# Altium PCB 滑板车模块 - 拼板.PcbDoc (part 7 of 8) (continued)
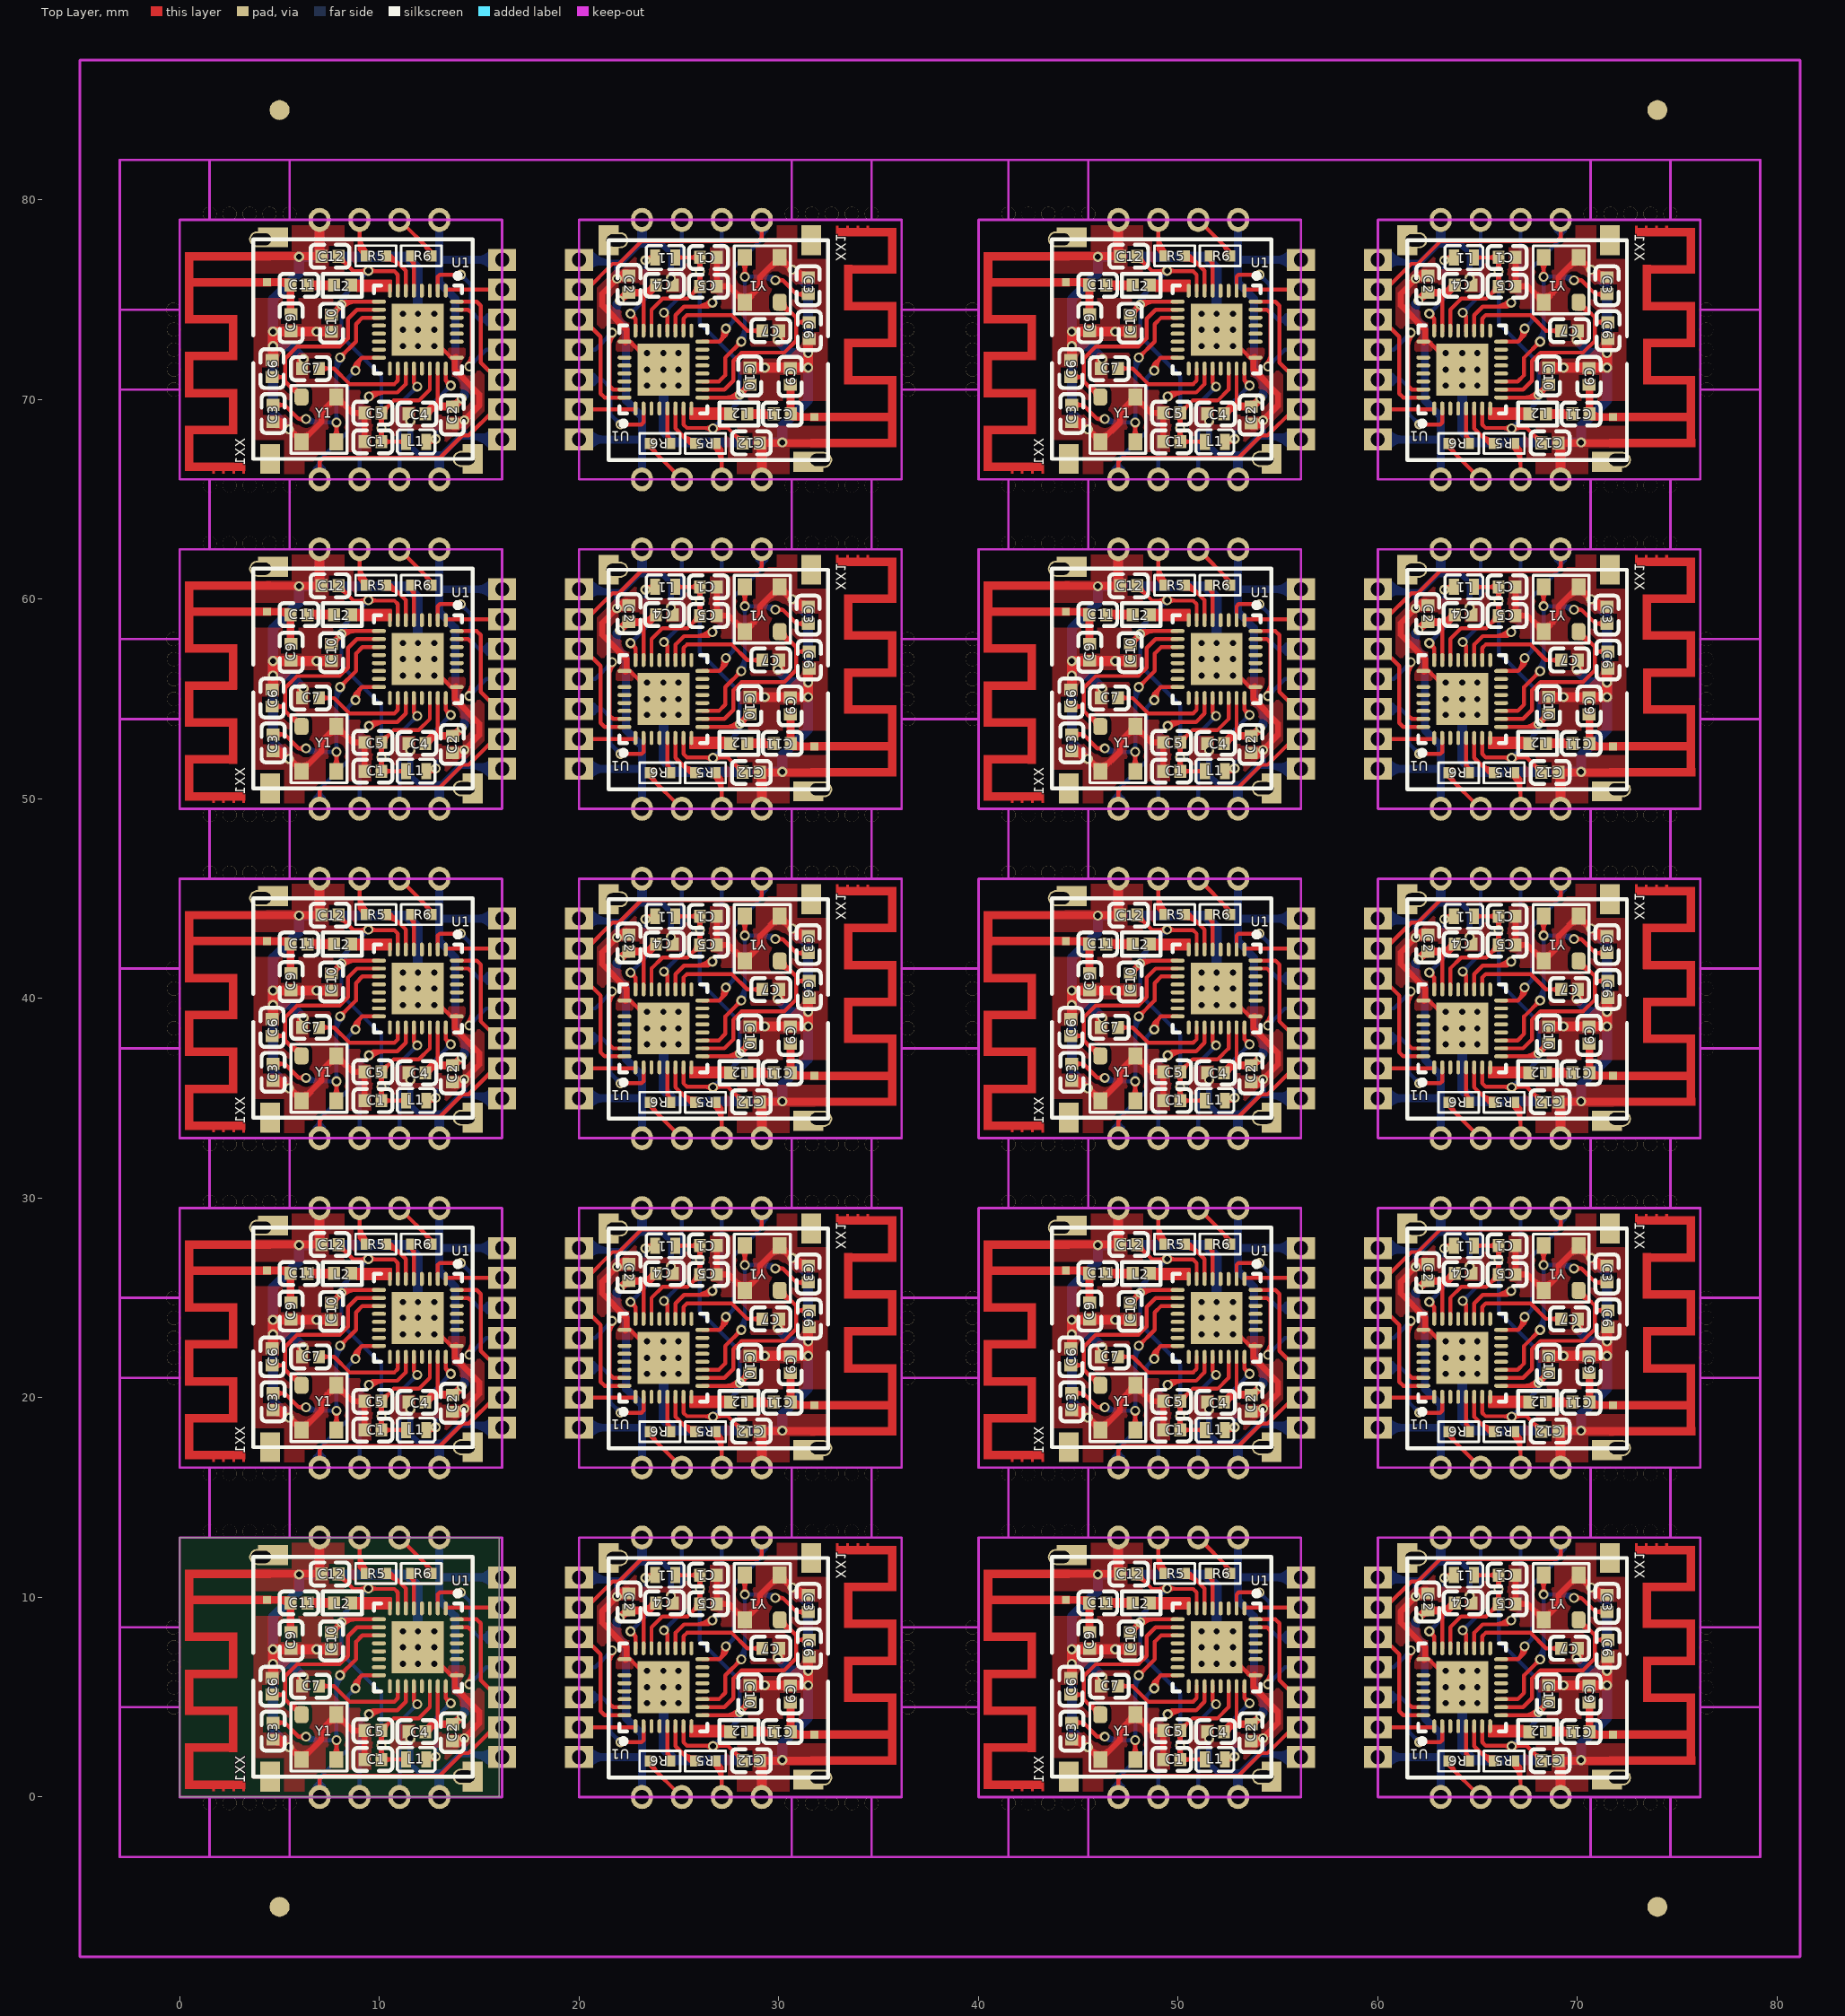
[diagram p0: Top Layer view]
## Nets (pads, with @x,y where several pads share a name; then routed paths per layer and width w, separated by ;. In a path a pad name is that pad's centre, name@x,y a point inside that pad or via, vN(x,y) a via of type N, cw(c..) or ccw(c..) an arc to the next point about the centre after c; other vN are vias at no path point) (continued)
; C10.1@47.702,8.446 ccw(c47.436,8.907) v1@47.954,8.784 ; C10.1@47.702,24.946 ccw(c47.436,25.407) v1@47.954,25.284 ; C10.1@47.702,41.446 ccw(c47.436,41.907) v1@47.954,41.784 ; C10.1@47.702,57.946 ccw(c47.436,58.407) v1@47.954,58.284 ; C10.1@47.702,74.446 ccw(c47.436,74.907) v1@47.954,74.784 ; C10.1@47.825,8.25 cw(c48.368,8.25) v1@47.984,8.634 ; C10.1@47.825,24.75 cw(c48.368,24.75) v1@47.984,25.134 ; C10.1@47.825,41.25 cw(c48.368,41.25) v1@47.984,41.634 ; C10.1@47.825,57.75 cw(c48.368,57.75) v1@47.984,58.134 ; C10.1@47.825,74.25 cw(c48.368,74.25) v1@47.984,74.634 ; C10.1@47.831,8.369 cw(c48.269,8.117) v1@48.139,8.605 ; C10.1@47.831,24.869 cw(c48.269,24.617) v1@48.139,25.105 ; C10.1@47.831,41.369 cw(c48.269,41.117) v1@48.139,41.605 ; C10.1@47.831,57.869 cw(c48.269,57.617) v1@48.139,58.105 ; C10.1@47.831,74.369 cw(c48.269,74.117) v1@48.139,74.605 ; 47.933,8.546 ccw(c47.745,8.655) v1@47.955,8.711 ; 47.933,25.046 ccw(c47.745,25.155) v1@47.955,25.211 ; 47.933,41.546 ccw(c47.745,41.655) v1@47.955,41.711 ; 47.933,58.046 ccw(c47.745,58.155) v1@47.955,58.211 ; 47.933,74.546 ccw(c47.745,74.655) v1@47.955,74.711 ; v1@47.95,8.75 cw(c47.588,8.75) 47.844,8.494 cw(c48.1,8.238) v1@48.1,8.6 ; C12.1@47.95,10.95 cw(c47.95,10.407) 48.334,10.791 ; C12.1@47.95,11.175 48.7,10.425 50.75,10.425 50.925,10.25 U1.7@50.925,9.45 ; v1@47.95,25.25 cw(c47.588,25.25) 47.844,24.994 cw(c48.1,24.738) v1@48.1,25.1 ; C12.1@47.95,27.45 cw(c47.95,26.907) 48.334,27.291 ; C12.1@47.95,27.675 48.7,26.925 50.75,26.925 50.925,26.75 U1.7@50.925,25.95 ; v1@47.95,41.75 cw(c47.588,41.75) 47.844,41.494 cw(c48.1,41.238) v1@48.1,41.6 ; C12.1@47.95,43.95 cw(c47.95,43.407) 48.334,43.791 ; C12.1@47.95,44.175 48.7,43.425 50.75,43.425 50.925,43.25 U1.7@50.925,42.45 ; v1@47.95,58.25 cw(c47.588,58.25) 47.844,57.994 cw(c48.1,57.738) v1@48.1,58.1 ; C12.1@47.95,60.45 cw(c47.95,59.907) 48.334,60.291 ; C12.1@47.95,60.675 48.7,59.925 50.75,59.925 50.925,59.75 U1.7@50.925,58.95 ; v1@47.95,74.75 cw(c47.588,74.75) 47.844,74.494 cw(c48.1,74.238) v1@48.1,74.6 ; C12.1@47.95,76.95 cw(c47.95,76.407) 48.334,76.791 ; C12.1@47.95,77.175 48.7,76.425 50.75,76.425 50.925,76.25 U1.7@50.925,75.45 ; v1@48.065,8.785 cw(c48.341,8.509) 48.341,8.9 ; v1@48.065,25.285 cw(c48.341,25.009) 48.341,25.4 ; v1@48.065,41.785 cw(c48.341,41.509) 48.341,41.9 ; v1@48.065,58.285 cw(c48.341,58.009) 48.341,58.4 ; v1@48.065,74.785 cw(c48.341,74.509) 48.341,74.9 ; C12.1@48.15,11.15 ccw(c48.572,11.15) 48.274,10.851 ; C12.1@48.15,27.65 ccw(c48.572,27.65) 48.274,27.351 ; C12.1@48.15,44.15 ccw(c48.572,44.15) 48.274,43.851 ; C12.1@48.15,60.65 ccw(c48.572,60.65) 48.274,60.351 ; C12.1@48.15,77.15 ccw(c48.572,77.15) 48.274,76.851 ; v1@48.206,8.644 cw(c48.824,8.026) 48.824,8.9 ; v1@48.206,25.144 cw(c48.824,24.526) 48.824,25.4 ; v1@48.206,41.644 cw(c48.824,41.026) 48.824,41.9 ; v1@48.206,58.144 cw(c48.824,57.526) 48.824,58.4 ; v1@48.206,74.644 cw(c48.824,74.026) 48.824,74.9 ; 49.028,10.425 ccw(c49.028,10.872) v1@49.344,10.556 ; 49.028,26.925 ccw(c49.028,27.372) v1@49.344,27.056 ; 49.028,43.425 ccw(c49.028,43.872) v1@49.344,43.556 ; 49.028,59.925 ccw(c49.028,60.372) v1@49.344,60.056 ; 49.028,76.425 ccw(c49.028,76.872) v1@49.344,76.556 ; 49.148,10.425 cw(c49.148,10.148) v1@49.344,10.344 ; 49.148,26.925 cw(c49.148,26.648) v1@49.344,26.844 ; 49.148,43.425 cw(c49.148,43.148) v1@49.344,43.344 ; 49.148,59.925 cw(c49.148,59.648) v1@49.344,59.844 ; 49.148,76.425 cw(c49.148,76.148) v1@49.344,76.344 ; v1@49.556,10.344 cw(c49.752,10.148) 49.752,10.425 ; v1@49.556,10.556 ccw(c49.872,10.872) 49.872,10.425 ; v1@49.556,26.844 cw(c49.752,26.648) 49.752,26.925 ; v1@49.556,27.056 ccw(c49.872,27.372) 49.872,26.925 ; v1@49.556,43.344 cw(c49.752,43.148) 49.752,43.425 ; v1@49.556,43.556 ccw(c49.872,43.872) 49.872,43.425 ; v1@49.556,59.844 cw(c49.752,59.648) 49.752,59.925 ; v1@49.556,60.056 ccw(c49.872,60.372) 49.872,59.925 ; v1@49.556,76.344 cw(c49.752,76.148) 49.752,76.425 ; v1@49.556,76.556 ccw(c49.872,76.872) 49.872,76.425 ; C1.2@49.959,2.051 ccw(c49.617,2.393) 50.1,2.393 ccw(c50.583,2.393) C1.2@50.241,2.051 ; C5.2@49.959,3.159 cw(c49.617,2.817) 50.1,2.817 cw(c50.583,2.817) C5.2@50.241,3.159 ; C1.2@49.959,18.551 ccw(c49.617,18.893) 50.1,18.893 ccw(c50.583,18.893) C1.2@50.241,18.551 ; C5.2@49.959,19.659 cw(c49.617,19.317) 50.1,19.317 cw(c50.583,19.317) C5.2@50.241,19.659 ; C1.2@49.959,35.051 ccw(c49.617,35.393) 50.1,35.393 ccw(c50.583,35.393) C1.2@50.241,35.051 ; C5.2@49.959,36.159 cw(c49.617,35.817) 50.1,35.817 cw(c50.583,35.817) C5.2@50.241,36.159 ; C1.2@49.959,51.551 ccw(c49.617,51.893) 50.1,51.893 ccw(c50.583,51.893) C1.2@50.241,51.551 ; C5.2@49.959,52.659 cw(c49.617,52.317) 50.1,52.317 cw(c50.583,52.317) C5.2@50.241,52.659 ; C1.2@49.959,68.051 ccw(c49.617,68.393) 50.1,68.393 ccw(c50.583,68.393) C1.2@50.241,68.051 ; C5.2@49.959,69.159 cw(c49.617,68.817) 50.1,68.817 cw(c50.583,68.817) C5.2@50.241,69.159 ; v1@49.992,2.679 ccw(c49.786,2.879) 50.063,2.954 ; v1@49.992,19.179 ccw(c49.786,19.379) 50.063,19.454 ; v1@49.992,35.679 ccw(c49.786,35.879) 50.063,35.954 ; v1@49.992,52.179 ccw(c49.786,52.379) 50.063,52.454 ; v1@49.992,68.679 ccw(c49.786,68.879) 50.063,68.954 ; v1@49.994,2.469 cw(c49.738,2.213) 50.1,2.213 cw(c50.462,2.213) v1@50.206,2.469 ; v1@49.993,2.47 cw(c49.816,2.295) 50.056,2.23 ; v1@49.994,2.681 ccw(c49.738,2.937) 50.1,2.937 ccw(c50.462,2.937) v1@50.206,2.681 ; v1@49.994,18.969 cw(c49.738,18.713) 50.1,18.713 cw(c50.462,18.713) v1@50.206,18.969 ; v1@49.993,18.97 cw(c49.816,18.795) 50.056,18.73 ; v1@49.994,19.181 ccw(c49.738,19.437) 50.1,19.437 ccw(c50.462,19.437) v1@50.206,19.181 ; v1@49.994,35.469 cw(c49.738,35.213) 50.1,35.213 cw(c50.462,35.213) v1@50.206,35.469 ; v1@49.993,35.47 cw(c49.816,35.295) 50.056,35.23 ; v1@49.994,35.681 ccw(c49.738,35.937) 50.1,35.937 ccw(c50.462,35.937) v1@50.206,35.681 ; v1@49.994,51.969 cw(c49.738,51.713) 50.1,51.713 cw(c50.462,51.713) v1@50.206,51.969 ; v1@49.993,51.97 cw(c49.816,51.795) 50.056,51.73 ; v1@49.994,52.181 ccw(c49.738,52.437) 50.1,52.437 ccw(c50.462,52.437) v1@50.206,52.181 ; v1@49.994,68.681 ccw(c49.738,68.937) 50.1,68.937 ccw(c50.462,68.937) v1@50.206,68.681 ; v1@50.025,2.445 cw(c49.924,2.271) 50.119,2.323 ; v1@50.025,18.945 cw(c49.924,18.771) 50.119,18.823 ; v1@50.025,35.445 cw(c49.924,35.271) 50.119,35.323 ; v1@50.025,51.945 cw(c49.924,51.771) 50.119,51.823 ; v1@50.025,68.445 cw(c49.924,68.271) 50.119,68.323 ; 50.056,68.23 ccw(c49.816,68.295) 49.993,68.47 cw(c49.738,68.213) 50.1,68.213 cw(c50.462,68.213) v1@50.206,68.469 ; 50.081,2.323 cw(c50.276,2.271) v1@50.175,2.445 ; 50.081,18.823 cw(c50.276,18.771) v1@50.175,18.945 ; 50.081,35.323 cw(c50.276,35.271) v1@50.175,35.445 ; 50.081,51.823 cw(c50.276,51.771) v1@50.175,51.945 ; 50.081,68.323 cw(c50.276,68.271) v1@50.175,68.445 ; C5.2@50.1,3.55 ccw(c50.1,4.093) 50.484,3.709 ; C5.2@50.1,20.05 ccw(c50.1,20.593) 50.484,20.209 ; C5.2@50.1,36.55 ccw(c50.1,37.093) 50.484,36.709 ; C5.2@50.1,53.05 ccw(c50.1,53.593) 50.484,53.209 ; C5.2@50.1,69.55 ccw(c50.1,70.093) 50.484,69.709 ; 50.137,2.954 ccw(c50.414,2.879) v1@50.208,2.679 ; 50.137,19.454 ccw(c50.414,19.379) v1@50.208,19.179 ; 50.137,35.954 ccw(c50.414,35.879) v1@50.208,35.679 ; 50.137,52.454 ccw(c50.414,52.379) v1@50.208,52.179 ; 50.137,68.954 ccw(c50.414,68.879) v1@50.208,68.679 ; 50.144,2.23 cw(c50.384,2.295) v1@50.207,2.47 ; 50.144,18.73 cw(c50.384,18.795) v1@50.207,18.97 ; 50.144,35.23 cw(c50.384,35.295) v1@50.207,35.47 ; 50.144,51.73 cw(c50.384,51.795) v1@50.207,51.97 ; 50.144,68.23 cw(c50.384,68.295) v1@50.207,68.47 ; C1.2@50.241,1.744 cw(c50.583,1.402) 50.583,1.885 cw(c50.583,2.368) C1.2@50.241,2.026 ; C1.2@50.241,18.244 cw(c50.583,17.902) 50.583,18.385 cw(c50.583,18.868) C1.2@50.241,18.526 ; C1.2@50.241,34.744 cw(c50.583,34.402) 50.583,34.885 cw(c50.583,35.368) C1.2@50.241,35.026 ; C1.2@50.241,51.244 cw(c50.583,50.902) 50.583,51.385 cw(c50.583,51.868) C1.2@50.241,51.526 ; C1.2@50.241,67.744 cw(c50.583,67.402) 50.583,67.885 cw(c50.583,68.368) C1.2@50.241,68.026 ; C5.2@50.3,3.35 cw(c50.722,3.35) 50.424,3.649 ; C5.2@50.3,19.85 cw(c50.722,19.85) 50.424,20.149 ; C5.2@50.3,36.35 cw(c50.722,36.35) 50.424,36.649 ; C5.2@50.3,52.85 cw(c50.722,52.85) 50.424,53.149 ; C5.2@50.3,69.35 cw(c50.722,69.35) 50.424,69.649 ; L1.2@51.234,1.779 ccw(c50.978,1.523) 50.978,1.885 ccw(c50.978,2.247) L1.2@51.234,1.991 ; L1.2@51.234,18.279 ccw(c50.978,18.023) 50.978,18.385 ccw(c50.978,18.747) L1.2@51.234,18.491 ; L1.2@51.234,34.779 ccw(c50.978,34.523) 50.978,34.885 ccw(c50.978,35.247) L1.2@51.234,34.991 ; L1.2@51.234,51.279 ccw(c50.978,51.023) 50.978,51.385 ccw(c50.978,51.747) L1.2@51.234,51.491 ; L1.2@51.234,67.779 ccw(c50.978,67.523) 50.978,67.885 ccw(c50.978,68.247) L1.2@51.234,67.991 ; L1.2@51.34,1.885 C1.2@50.1,1.885 C5.2@50.1,3.325 50.725,3.95 51.978,3.95 52.525,4.497 U1.22@52.525,5.55 ; L1.2@51.34,18.385 C1.2@50.1,18.385 C5.2@50.1,19.825 50.725,20.45 51.978,20.45 52.525,20.997 U1.22@52.525,22.05 ; L1.2@51.34,34.885 C1.2@50.1,34.885 C5.2@50.1,36.325 50.725,36.95 51.978,36.95 52.525,37.497 U1.22@52.525,38.55 ; L1.2@51.34,51.385 C1.2@50.1,51.385 C5.2@50.1,52.825 50.725,53.45 51.978,53.45 52.525,53.997 U1.22@52.525,55.05 ; L1.2@51.34,67.885 C1.2@50.1,67.885 C5.2@50.1,69.325 50.725,69.95 51.978,69.95 52.525,70.497 U1.22@52.525,71.55 ; U1.22@63.625,7.45 63.625,8.503 64.172,9.05 65.425,9.05 C5.2@66.05,9.675 C1.2@66.05,11.115 L1.2@64.81,11.115 ; U1.22@63.625,23.95 63.625,25.003 64.172,25.55 65.425,25.55 C5.2@66.05,26.175 C1.2@66.05,27.615 L1.2@64.81,27.615 ; U1.22@63.625,40.45 63.625,41.503 64.172,42.05 65.425,42.05 C5.2@66.05,42.675 C1.2@66.05,44.115 L1.2@64.81,44.115 ; U1.22@63.625,56.95 63.625,58.003 64.172,58.55 65.425,58.55 C5.2@66.05,59.175 C1.2@66.05,60.615 L1.2@64.81,60.615 ; U1.22@63.625,73.45 63.625,74.503 64.172,75.05 65.425,75.05 C5.2@66.05,75.675 C1.2@66.05,77.115 L1.2@64.81,77.115 ; L1.2@64.916,11.009 cw(c65.172,10.753) 65.172,11.115 ; L1.2@64.916,11.221 ccw(c65.172,11.477) 65.172,11.115 ; L1.2@64.916,27.509 cw(c65.172,27.253) 65.172,27.615 ; L1.2@64.916,27.721 ccw(c65.172,27.977) 65.172,27.615 ; L1.2@64.916,44.009 cw(c65.172,43.753) 65.172,44.115 ; L1.2@64.916,44.221 ccw(c65.172,44.477) 65.172,44.115 ; L1.2@64.916,60.509 cw(c65.172,60.253) 65.172,60.615 ; L1.2@64.916,60.721 ccw(c65.172,60.977) 65.172,60.615 ; L1.2@64.916,77.009 cw(c65.172,76.753) 65.172,77.115 ; L1.2@64.916,77.221 ccw(c65.172,77.477) 65.172,77.115 ; U1.7@65.225,3.55 65.225,2.75 65.4,2.575 67.45,2.575 C12.1@68.2,1.825 ; U1.7@65.225,20.05 65.225,19.25 65.4,19.075 67.45,19.075 C12.1@68.2,18.325 ; U1.7@65.225,36.55 65.225,35.75 65.4,35.575 67.45,35.575 C12.1@68.2,34.825 ; U1.7@65.225,53.05 65.225,52.25 65.4,52.075 67.45,52.075 C12.1@68.2,51.325 ; U1.7@65.225,69.55 65.225,68.75 65.4,68.575 67.45,68.575 C12.1@68.2,67.825 ; 65.666,9.291 cw(c66.05,8.907) C5.2@66.05,9.45 ; 65.666,25.791 cw(c66.05,25.407) C5.2@66.05,25.95 ; 65.666,42.291 cw(c66.05,41.907) C5.2@66.05,42.45 ; 65.666,58.791 cw(c66.05,58.407) C5.2@66.05,58.95 ; 65.666,75.291 cw(c66.05,74.907) C5.2@66.05,75.45 ; 65.726,9.351 ccw(c65.428,9.65) C5.2@65.85,9.65 ; 65.726,25.851 ccw(c65.428,26.15) C5.2@65.85,26.15 ; 65.726,42.351 ccw(c65.428,42.65) C5.2@65.85,42.65 ; 65.726,58.851 ccw(c65.428,59.15) C5.2@65.85,59.15 ; 65.726,75.351 ccw(c65.428,75.65) C5.2@65.85,75.65 ; C5.2@65.909,9.841 ccw(c65.567,10.183) 66.05,10.183 ccw(c66.533,10.183) C5.2@66.191,9.841 ; C1.2@65.909,10.949 cw(c65.567,10.607) 66.05,10.607 cw(c66.533,10.607) C1.2@66.191,10.949 ; C1.2@65.909,10.974 ccw(c65.567,10.632) 65.567,11.115 ccw(c65.567,11.598) C1.2@65.909,11.256 ; C5.2@65.909,26.341 ccw(c65.567,26.683) 66.05,26.683 ccw(c66.533,26.683) C5.2@66.191,26.341 ; C1.2@65.909,27.449 cw(c65.567,27.107) 66.05,27.107 cw(c66.533,27.107) C1.2@66.191,27.449 ; C1.2@65.909,27.474 ccw(c65.567,27.132) 65.567,27.615 ccw(c65.567,28.098) C1.2@65.909,27.756 ; C5.2@65.909,42.841 ccw(c65.567,43.183) 66.05,43.183 ccw(c66.533,43.183) C5.2@66.191,42.841 ; C1.2@65.909,43.949 cw(c65.567,43.607) 66.05,43.607 cw(c66.533,43.607) C1.2@66.191,43.949 ; C1.2@65.909,43.974 ccw(c65.567,43.632) 65.567,44.115 ccw(c65.567,44.598) C1.2@65.909,44.256 ; C5.2@65.909,59.341 ccw(c65.567,59.683) 66.05,59.683 ccw(c66.533,59.683) C5.2@66.191,59.341 ; C1.2@65.909,60.449 cw(c65.567,60.107) 66.05,60.107 cw(c66.533,60.107) C1.2@66.191,60.449 ; C1.2@65.909,60.474 ccw(c65.567,60.132) 65.567,60.615 ccw(c65.567,61.098) C1.2@65.909,60.756 ; C5.2@65.909,75.841 ccw(c65.567,76.183) 66.05,76.183 ccw(c66.533,76.183) C5.2@66.191,75.841 ; C1.2@65.909,76.949 cw(c65.567,76.607) 66.05,76.607 cw(c66.533,76.607) C1.2@66.191,76.949 ; C1.2@65.909,76.974 ccw(c65.567,76.632) 65.567,77.115 ccw(c65.567,77.598) C1.2@65.909,77.256 ; v1@65.942,10.321 cw(c65.736,10.121) 66.013,10.046 ; v1@65.942,26.821 cw(c65.736,26.621) 66.013,26.546 ; v1@65.942,43.321 cw(c65.736,43.121) 66.013,43.046 ; v1@65.942,59.821 cw(c65.736,59.621) 66.013,59.546 ; v1@65.942,76.321 cw(c65.736,76.121) 66.013,76.046 ; v1@65.944,10.319 cw(c65.688,10.063) 66.05,10.063 cw(c66.412,10.063) v1@66.156,10.319 ; v1@65.944,26.819 cw(c65.688,26.563) 66.05,26.563 cw(c66.412,26.563) v1@66.156,26.819 ; v1@65.944,43.319 cw(c65.688,43.063) 66.05,43.063 cw(c66.412,43.063) v1@66.156,43.319 ; v1@65.944,59.819 cw(c65.688,59.563) 66.05,59.563 cw(c66.412,59.563) v1@66.156,59.819 ; v1@65.943,60.03 ccw(c65.766,60.205) 66.006,60.27 ; v1@65.944,60.031 ccw(c65.688,60.287) 66.05,60.287 ccw(c66.412,60.287) v1@66.156,60.031 ; v1@65.944,76.319 cw(c65.688,76.063) 66.05,76.063 cw(c66.412,76.063) v1@66.156,76.319 ; v1@65.943,76.53 ccw(c65.766,76.705) 66.006,76.77 ; v1@65.944,76.531 ccw(c65.688,76.787) 66.05,76.787 ccw(c66.412,76.787) v1@66.156,76.531 ; v1@65.975,10.555 ccw(c65.874,10.729) 66.069,10.677 ; v1@65.975,27.055 ccw(c65.874,27.229) 66.069,27.177 ; v1@65.975,43.555 ccw(c65.874,43.729) 66.069,43.677 ; v1@65.975,60.055 ccw(c65.874,60.229) 66.069,60.177 ; v1@65.975,76.555 ccw(c65.874,76.729) 66.069,76.677 ; 66.006,10.77 cw(c65.766,10.705) 65.943,10.53 ccw(c65.688,10.787) 66.05,10.787 ccw(c66.412,10.787) v1@66.156,10.531 ; 66.006,27.27 cw(c65.766,27.205) 65.943,27.03 ccw(c65.688,27.287) 66.05,27.287 ccw(c66.412,27.287) v1@66.156,27.031 ; 66.006,43.77 cw(c65.766,43.705) 65.943,43.53 ccw(c65.688,43.787) 66.05,43.787 ccw(c66.412,43.787) v1@66.156,43.531 ; 66.031,10.677 ccw(c66.226,10.729) v1@66.125,10.555 ; 66.031,27.177 ccw(c66.226,27.229) v1@66.125,27.055 ; 66.031,43.677 ccw(c66.226,43.729) v1@66.125,43.555 ; 66.031,60.177 ccw(c66.226,60.229) v1@66.125,60.055 ; 66.031,76.677 ccw(c66.226,76.729) v1@66.125,76.555 ; 66.087,10.046 cw(c66.364,10.121) v1@66.158,10.321 ; 66.087,26.546 cw(c66.364,26.621) v1@66.158,26.821 ; 66.087,43.046 cw(c66.364,43.121) v1@66.158,43.321 ; 66.087,59.546 cw(c66.364,59.621) v1@66.158,59.821 ; 66.087,76.046 cw(c66.364,76.121) v1@66.158,76.321 ; 66.094,10.77 ccw(c66.334,10.705) v1@66.157,10.53 ; 66.094,27.27 ccw(c66.334,27.205) v1@66.157,27.03 ; 66.094,43.77 ccw(c66.334,43.705) v1@66.157,43.53 ; 66.094,60.27 ccw(c66.334,60.205) v1@66.157,60.03 ; 66.094,76.77 ccw(c66.334,76.705) v1@66.157,76.53 ; U1.9@66.175,4.1 67.9,4.1 v1(68.05,4.25) C10.1@68.55,4.75 ; U1.9@66.175,20.6 67.9,20.6 v1(68.05,20.75) C10.1@68.55,21.25 ; U1.9@66.175,37.1 67.9,37.1 v1(68.05,37.25) C10.1@68.55,37.75 ; U1.9@66.175,53.6 67.9,53.6 v1(68.05,53.75) C10.1@68.55,54.25 ; U1.9@66.175,70.1 67.9,70.1 v1(68.05,70.25) C10.1@68.55,70.75 ; 66.278,2.575 cw(c66.278,2.128) v1@66.594,2.444 ; 66.278,19.075 cw(c66.278,18.628) v1@66.594,18.944 ; 66.278,35.575 cw(c66.278,35.128) v1@66.594,35.444 ; 66.278,52.075 cw(c66.278,51.628) v1@66.594,51.944 ; 66.278,68.575 cw(c66.278,68.128) v1@66.594,68.444 ; 66.398,2.575 ccw(c66.398,2.852) v1@66.594,2.656 ; 66.398,19.075 ccw(c66.398,19.352) v1@66.594,19.156 ; 66.398,35.575 ccw(c66.398,35.852) v1@66.594,35.656 ; 66.398,52.075 ccw(c66.398,52.352) v1@66.594,52.156 ; 66.398,68.575 ccw(c66.398,68.852) v1@66.594,68.656 ; v1@66.806,2.444 cw(c67.122,2.128) 67.122,2.575 ; v1@66.806,2.656 ccw(c67.002,2.852) 67.002,2.575 ; v1@66.806,18.944 cw(c67.122,18.628) 67.122,19.075 ; v1@66.806,19.156 ccw(c67.002,19.352) 67.002,19.075 ; v1@66.806,35.444 cw(c67.122,35.128) 67.122,35.575 ; v1@66.806,35.656 ccw(c67.002,35.852) 67.002,35.575 ; v1@66.806,51.944 cw(c67.122,51.628) 67.122,52.075 ; v1@66.806,52.156 ccw(c67.002,52.352) 67.002,52.075 ; v1@66.806,68.444 cw(c67.122,68.128) 67.122,68.575 ; v1@66.806,68.656 ccw(c67.002,68.852) 67.002,68.575 ; 67.326,4.1 ccw(c67.326,4.974) v1@67.944,4.356 ; 67.326,20.6 ccw(c67.326,21.474) v1@67.944,20.856 ; 67.326,37.1 ccw(c67.326,37.974) v1@67.944,37.356 ; 67.326,53.6 ccw(c67.326,54.474) v1@67.944,53.856 ; 67.326,70.1 ccw(c67.326,70.974) v1@67.944,70.356 ; 67.809,4.1 ccw(c67.809,4.491) v1@68.085,4.215 ; 67.809,20.6 ccw(c67.809,20.991) v1@68.085,20.715 ; 67.809,37.1 ccw(c67.809,37.491) v1@68.085,37.215 ; 67.809,53.6 ccw(c67.809,53.991) v1@68.085,53.715 ; 67.809,70.1 ccw(c67.809,70.491) v1@68.085,70.215 ; 67.816,2.209 ccw(c68.2,2.593) C12.1@68.2,2.05 ; 67.816,18.709 ccw(c68.2,19.093) C12.1@68.2,18.55 ; 67.816,35.209 ccw(c68.2,35.593) C12.1@68.2,35.05 ; 67.816,51.709 ccw(c68.2,52.093) C12.1@68.2,51.55 ; 67.816,68.209 ccw(c68.2,68.593) C12.1@68.2,68.05 ; 67.876,2.149 cw(c67.578,1.85) C12.1@68,1.85 ; 67.876,18.649 cw(c67.578,18.35) C12.1@68,18.35 ; 67.876,35.149 cw(c67.578,34.85) C12.1@68,34.85 ; 67.876,51.649 cw(c67.578,51.35) C12.1@68,51.35 ; 67.876,68.149 cw(c67.578,67.85) C12.1@68,67.85 ; v1@68.011,4.395 ccw(c67.881,4.883) C10.1@68.319,4.631 ; v1@68.011,20.895 ccw(c67.881,21.383) C10.1@68.319,21.131 ; v1@68.011,37.395 ccw(c67.881,37.883) C10.1@68.319,37.631 ; v1@68.011,53.895 ccw(c67.881,54.383) C10.1@68.319,54.131 ; v1@68.011,70.395 ccw(c67.881,70.883) C10.1@68.319,70.631 ; v1@68.05,4.4 ccw(c68.05,4.762) 68.306,4.506 ccw(c68.562,4.25) v1@68.2,4.25 ; v1@68.05,20.9 ccw(c68.05,21.262) 68.306,21.006 ccw(c68.562,20.75) v1@68.2,20.75 ; v1@68.05,37.4 ccw(c68.05,37.762) 68.306,37.506 ccw(c68.562,37.25) v1@68.2,37.25 ; v1@68.05,53.9 ccw(c68.05,54.262) 68.306,54.006 ccw(c68.562,53.75) v1@68.2,53.75 ; v1@68.05,70.4 ccw(c68.05,70.762) 68.306,70.506 ccw(c68.562,70.25) v1@68.2,70.25 ; v1@68.166,4.366 ccw(c67.782,4.75) C10.1@68.325,4.75 ; v1@68.166,20.866 ccw(c67.782,21.25) C10.1@68.325,21.25 ; v1@68.166,37.366 ccw(c67.782,37.75) C10.1@68.325,37.75 ; v1@68.166,53.866 ccw(c67.782,54.25) C10.1@68.325,54.25 ; v1@68.166,70.366 ccw(c67.782,70.75) C10.1@68.325,70.75 ; v1@68.195,4.289 cw(c68.405,4.345) 68.217,4.454 ; v1@68.195,20.789 cw(c68.405,20.845) 68.217,20.954 ; v1@68.195,37.289 cw(c68.405,37.345) 68.217,37.454 ; v1@68.195,53.789 cw(c68.405,53.845) 68.217,53.954 ; v1@68.195,70.289 cw(c68.405,70.345) 68.217,70.454 ; v1@68.196,4.216 cw(c68.714,4.093) C10.1@68.448,4.554 ; v1@68.196,20.716 cw(c68.714,20.593) C10.1@68.448,21.054 ; v1@68.196,37.216 cw(c68.714,37.093) C10.1@68.448,37.554 ; v1@68.196,53.716 cw(c68.714,53.593) C10.1@68.448,54.054 ; v1@68.196,70.216 cw(c68.714,70.093) C10.1@68.448,70.554 ; v1@68.226,4.426 cw(c68.525,4.128) C10.1@68.525,4.55 ; v1@68.226,20.926 cw(c68.525,20.628) C10.1@68.525,21.05 ; v1@68.226,37.426 cw(c68.525,37.128) C10.1@68.525,37.55 ; v1@68.226,53.926 cw(c68.525,53.628) C10.1@68.525,54.05 ; v1@68.226,70.426 cw(c68.525,70.128) C10.1@68.525,70.55